# Altium PCB 0020-03_FFT2G.PcbDoc (part 6 of 16) (continued)
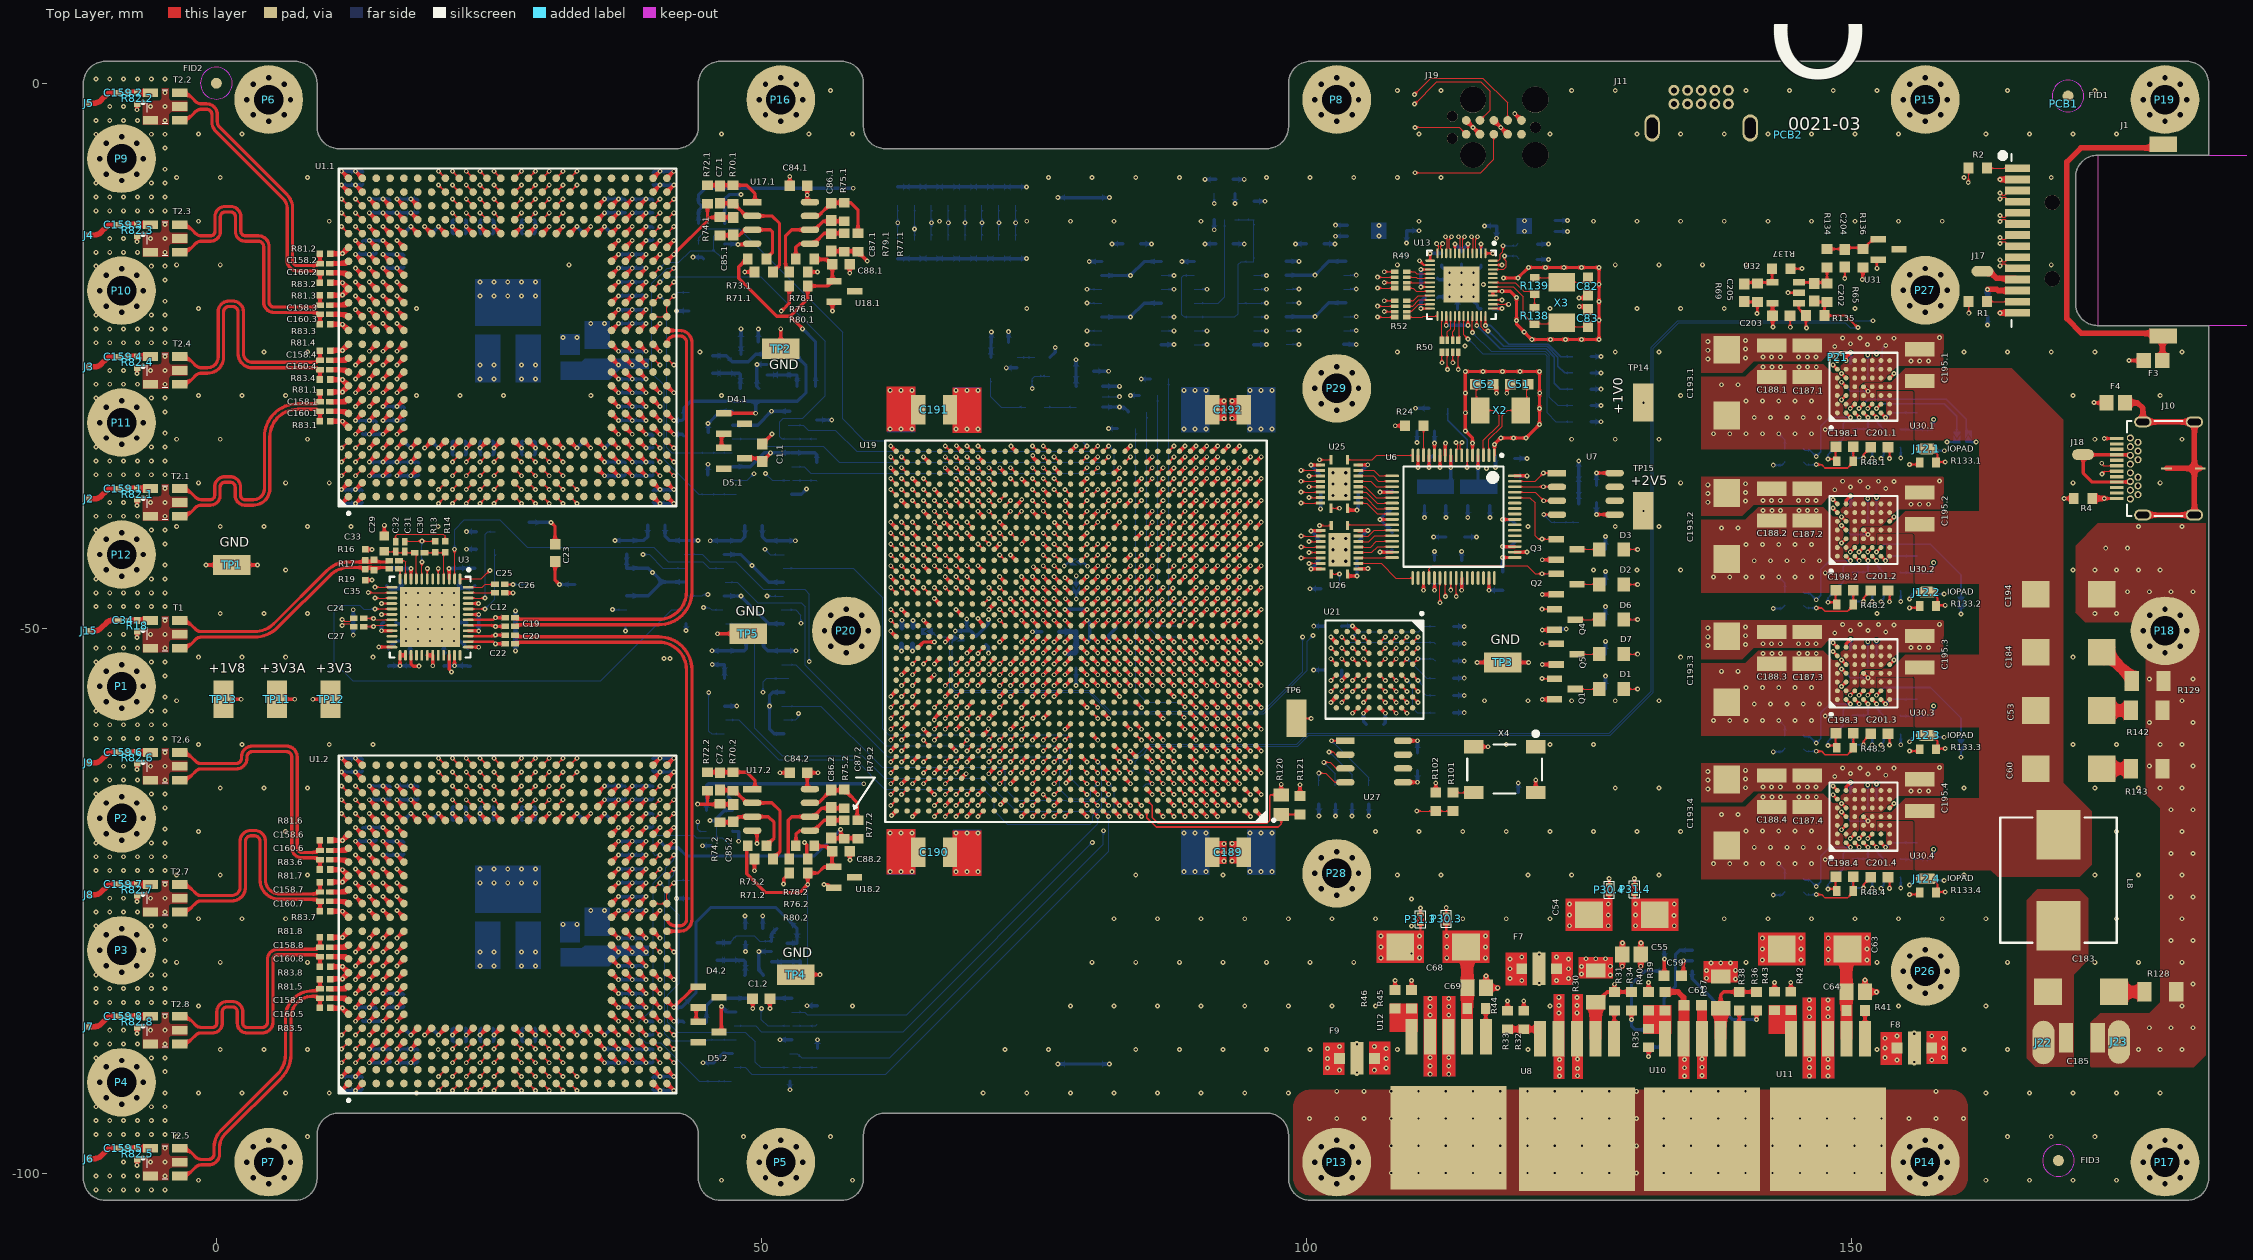
[diagram p0: Top Layer view]
## Nets (pads, with @x,y where several pads share a name; then routed paths per layer and width w, separated by ;. In a path a pad name is that pad's centre, name@x,y a point inside that pad or via, vN(x,y) a via of type N, cw(c..) or ccw(c..) an arc to the next point about the centre after c; other vN are vias at no path point) (continued)
  LVDS1 w0.1: v1(112.521,-14.724) 112.521,-14.665 112.346,-14.49 112.346,-10.263 113.679,-8.929 158.3,-8.929 159.347,-8.929 160.863,-10.446 163.348,-10.446 163.523,-10.621 v1@163.582,-10.621
ETH_D0_P: J1.3 U13.12 | length 60.2
  Top Layer w0.1: v1(111.971,-14.724) 111.971,-14.783 112.146,-14.958 112.146,-15.152 112.046,-15.252 U13.12@112.046,-15.611 ; v1(163.662,-10.085) 163.721,-10.085 163.896,-10.26 164.116,-10.26 164.175,-10.201 164.175,-10.155 164.48,-9.85 J1.3@165.27,-9.85
  LVDS1 w0.1: v1(111.971,-14.724) 111.971,-14.665 112.146,-14.49 112.146,-10.18 113.596,-8.729 159.429,-8.729 160.946,-10.246 163.348,-10.246 163.523,-10.071 v1@163.582,-10.071
ETH_D1_N: J1.6 U13.9 | length 59
  Top Layer w0.1: U13.9@113.246,-15.611 113.246,-15.252 113.146,-15.152 113.146,-14.325 113.321,-14.15 v1(113.321,-14.092) ; v1(163.662,-12.675) 163.721,-12.675 163.896,-12.5 164.116,-12.5 164.175,-12.558 164.175,-12.605 164.48,-12.91 J1.6@165.27,-12.91
  LVDS1 w0.1: v1(113.321,-14.092) 113.321,-14.033 113.146,-13.858 113.146,-10.989 114.624,-9.51 158.3,-9.51 159.178,-9.51 162.153,-12.486 163.348,-12.486 163.523,-12.661 v1@163.582,-12.661
ETH_D1_P: J1.5 U13.10 | length 59.4
  Top Layer w0.1: v1(112.771,-14.092) 112.771,-14.15 112.946,-14.325 112.946,-15.152 112.846,-15.252 U13.10@112.846,-15.611 ; v1(163.662,-12.125) 163.721,-12.125 163.896,-12.3 164.116,-12.3 164.175,-12.241 164.175,-12.195 164.48,-11.89 J1.5@165.27,-11.89
  LVDS1 w0.1: v1(112.771,-14.092) 112.771,-14.033 112.946,-13.858 112.946,-10.906 114.541,-9.31 159.26,-9.31 162.236,-12.286 163.348,-12.286 163.523,-12.111 v1@163.582,-12.111
ETH_D2_N: J1.8 U13.6 | length 59.3
  Top Layer w0.1: U13.6@114.446,-15.611 114.446,-15.252 114.346,-15.152 114.346,-14.325 114.521,-14.15 v1(114.521,-14.092) ; v1(163.662,-14.715) 163.721,-14.715 163.896,-14.54 164.116,-14.54 164.175,-14.598 164.175,-14.645 164.48,-14.95 J1.8@165.27,-14.95
  LVDS1 w0.1: v1(114.521,-14.092) 114.521,-14.033 114.346,-13.858 114.346,-12.736 116.432,-10.65 142.05,-10.65 ccw(c142.05,-10.25) 142.45,-10.25 cw(c142.65,-10.25) 142.85,-10.25 142.85,-10.85 ccw(c143.25,-10.85) 143.65,-10.85 143.65,-10.25 cw(c143.85,-10.25) 144.05,-10.25 ccw(c144.45,-10.25) 144.45,-10.65 158.958,-10.65 162.834,-14.526 163.348,-14.526 163.523,-14.701 v1@163.582,-14.701
ETH_D2_P: J1.7 U13.7 | length 59.6
  Top Layer w0.1: v1(113.971,-14.092) 113.971,-14.15 114.146,-14.325 114.146,-15.152 114.046,-15.252 U13.7@114.046,-15.611 ; v1(163.662,-14.165) 163.721,-14.165 163.896,-14.34 164.116,-14.34 164.175,-14.281 164.175,-14.235 164.48,-13.93 J1.7@165.27,-13.93
  LVDS1 w0.1: v1(113.971,-14.092) 113.971,-14.033 114.146,-13.858 114.146,-12.653 116.349,-10.45 142.05,-10.45 ccw(c142.05,-10.25) 142.25,-10.25 cw(c142.65,-10.25) 143.05,-10.25 143.05,-10.85 ccw(c143.25,-10.85) 143.45,-10.85 143.45,-10.25 cw(c143.85,-10.25) 144.25,-10.25 ccw(c144.45,-10.25) 144.45,-10.45 159.041,-10.45 162.917,-14.326 163.348,-14.326 163.523,-14.151 v1@163.582,-14.151
ETH_D3_N: J1.10 U13.3 | length 58.6
  Top Layer w0.1: U13.3@115.646,-15.611 115.646,-15.252 115.546,-15.152 115.546,-14.325 115.721,-14.15 v1(115.721,-14.092) ; v1(163.662,-16.755) 163.721,-16.755 163.896,-16.58 164.116,-16.58 164.175,-16.638 164.175,-16.685 164.48,-16.99 J1.10@165.27,-16.99
  LVDS1 w0.1: v1(115.721,-14.092) 115.721,-14.033 115.546,-13.858 115.546,-12.101 115.997,-11.65 147.025,-11.65 cw(c147.025,-11.85) 147.225,-11.85 ccw(c147.625,-11.85) 147.625,-12.25 ccw(c147.625,-11.85) 148.025,-11.85 148.025,-11.25 cw(c148.225,-11.25) 148.225,-11.05 cw(c148.225,-11.25) 148.425,-11.25 148.425,-11.85 ccw(c148.825,-11.85) 148.825,-12.25 ccw(c148.825,-11.85) 149.225,-11.85 ; 149.225,-11.825 cw(c149.4,-11.825) 149.4,-11.65 158.3,-11.65 159.275,-12.625 159.275,-12.908 162.933,-16.566 163.348,-16.566 163.523,-16.741 v1@163.582,-16.741
ETH_D3_P: J1.9 U13.4 | length 59
  Top Layer w0.1: v1(115.171,-14.092) 115.171,-14.15 115.346,-14.325 115.346,-15.152 115.246,-15.252 U13.4@115.246,-15.611 ; v1(163.662,-16.205) 163.721,-16.205 163.896,-16.38 164.116,-16.38 164.175,-16.321 164.175,-16.275 164.48,-15.97 J1.9@165.27,-15.97
  LVDS1 w0.1: v1(115.171,-14.092) 115.171,-14.033 115.346,-13.858 115.346,-12.018 115.914,-11.45 147.025,-11.45 cw(c147.025,-11.85) 147.425,-11.85 ccw(c147.625,-11.85) 147.625,-12.05 ccw(c147.625,-11.85) 147.825,-11.85 147.825,-11.25 cw(c148.225,-11.25) 148.225,-10.85 cw(c148.225,-11.25) 148.625,-11.25 148.625,-11.85 ccw(c148.825,-11.85) 148.825,-12.05 ccw(c148.825,-11.85) 149.025,-11.85 ; 149.025,-11.825 cw(c149.4,-11.825) 149.4,-11.45 158.383,-11.45 159.475,-12.542 159.475,-12.825 163.016,-16.366 163.348,-16.366 163.523,-16.191 v1@163.582,-16.191
ETH_RGMII.RX_CLK: R52.2 U19.AE16 | length 48.5
  Top Layer w0.1: U19.AE16@80.375,-42.78 v1(80.875,-42.28) ; v1(106.55,-20.459) R52.2@108.125,-20.459
  LVDS1 w0.1: v1(80.875,-42.28) 81.375,-41.78 81.375,-36.788 82.375,-35.788 82.375,-26.39 82.491,-26.274 82.903,-25.862 cw(c83.002,-25.961) 83.101,-25.862 83.172,-25.934 ccw(c83.271,-25.835) 83.37,-25.934 83.455,-25.849 ccw(c83.356,-25.75) 83.455,-25.651 83.285,-25.481 83.115,-25.31 cw(c83.214,-25.211) 83.115,-25.112 83.2,-25.027 cw(c83.299,-25.126) 83.398,-25.027 83.568,-25.198 83.738,-25.368 ccw(c83.837,-25.269) 83.936,-25.368 84.021,-25.283 ccw(c83.922,-25.184) 84.021,-25.085 83.851,-24.915 83.68,-24.745 cw(c83.779,-24.646) 83.68,-24.547 83.765,-24.462 cw(c83.864,-24.561) 83.963,-24.462 84.133,-24.632 84.304,-24.802 ccw(c84.403,-24.703) 84.502,-24.802 84.587,-24.717 ccw(c84.488,-24.618) 84.587,-24.519 84.515,-24.448 cw(c84.614,-24.349) 84.515,-24.25 84.558,-24.208 86.606,-22.16 88.054,-22.16 89.247,-20.966 106.043,-20.966 v1(106.55,-20.459)
ETH_RGMII.RX_CTL: R52.1 U19.AK16 | length 48.5
  Top Layer w0.1: U19.AK16@80.375,-37.78 v1(80.875,-37.28) ; v1(107.164,-19.959) R52.1@108.125,-19.959
  LVDS1 w0.1: v1(80.875,-37.28) 80.875,-36.298 81.375,-35.798 81.375,-25.841 83.113,-24.103 83.305,-23.911 cw(c83.404,-24.01) 83.503,-23.911 83.575,-23.984 ccw(c83.674,-23.885) 83.773,-23.984 83.858,-23.899 ccw(c83.759,-23.8) 83.858,-23.701 83.687,-23.529 83.515,-23.358 cw(c83.614,-23.259) 83.515,-23.16 83.6,-23.075 cw(c83.699,-23.174) 83.798,-23.075 83.97,-23.246 84.141,-23.418 ccw(c84.24,-23.319) 84.339,-23.418 84.424,-23.333 ccw(c84.325,-23.234) 84.424,-23.135 84.252,-22.964 84.081,-22.792 cw(c84.18,-22.693) 84.081,-22.594 84.166,-22.509 cw(c84.265,-22.608) 84.364,-22.509 84.535,-22.681 84.707,-22.852 ccw(c84.806,-22.753) 84.905,-22.852 84.99,-22.767 ccw(c84.891,-22.668) 84.99,-22.569 84.818,-22.398 84.647,-22.227 cw(c84.746,-22.128) 84.647,-22.029 84.732,-21.944 cw(c84.831,-22.043) 84.93,-21.944 85.101,-22.115 85.272,-22.287 ccw(c85.371,-22.188) 85.47,-22.287 85.555,-22.202 ccw(c85.456,-22.103) 85.555,-22.004 85.384,-21.832 85.212,-21.661 cw(c85.311,-21.562) 85.212,-21.463 85.297,-21.378 cw(c85.396,-21.477) 85.495,-21.378 85.667,-21.549 85.838,-21.721 ccw(c85.937,-21.622) 86.036,-21.721 86.121,-21.636 ccw(c86.022,-21.537) 86.121,-21.438 85.95,-21.267 85.778,-21.095 cw(c85.877,-20.996) 85.778,-20.897 85.863,-20.812 cw(c85.962,-20.911) 86.061,-20.812 86.232,-20.984 86.404,-21.155 ccw(c86.503,-21.056) 86.602,-21.155 86.687,-21.07 ccw(c86.588,-20.971) 86.687,-20.872 86.614,-20.8 cw(c86.713,-20.701) 86.614,-20.602 86.657,-20.559 103.265,-20.559 103.865,-19.959 v1(107.164,-19.959)
ETH_RGMII.RXD0: R49.4 U19.AG17 | length 48
  Top Layer w0.1: U19.AG17@79.375,-40.78 v1(79.875,-40.28) ; v1(106.55,-18.797) R49.4@108.125,-18.797
  LVDS2 w0.1: v1(79.875,-40.28) 80.5,-39.655 80.5,-26.785 82.443,-24.843 82.485,-24.8 ccw(c82.386,-24.701) 82.485,-24.602 82.417,-24.534 cw(c82.516,-24.435) 82.417,-24.336 82.502,-24.251 cw(c82.601,-24.35) 82.7,-24.251 82.867,-24.418 83.067,-24.619 ccw(c83.166,-24.52) 83.265,-24.619 83.35,-24.534 ccw(c83.251,-24.435) 83.35,-24.336 83.15,-24.136 82.982,-23.968 cw(c83.081,-23.869) 82.982,-23.77 83.067,-23.685 cw(c83.166,-23.784) 83.265,-23.685 83.433,-23.853 83.633,-24.053 ccw(c83.732,-23.954) 83.831,-24.053 83.916,-23.968 ccw(c83.817,-23.869) 83.916,-23.77 83.814,-23.669 cw(c83.913,-23.57) 83.814,-23.471 84.355,-22.93 87.615,-19.67 104.519,-19.67 105.392,-18.797 v1(106.55,-18.797)
ETH_RGMII.RXD1: R49.3 U19.AH17 | length 48
  Top Layer w0.1: U19.AH17@79.375,-39.78 v1(79.875,-39.28) ; v1(107.164,-18.297) R49.3@108.125,-18.297
  LVDS2 w0.1: v1(79.875,-39.28) 79.375,-38.78 79.375,-26.825 84.938,-21.263 84.98,-21.22 ccw(c84.881,-21.121) 84.98,-21.022 84.923,-20.966 cw(c85.022,-20.867) 84.923,-20.768 85.008,-20.683 cw(c85.107,-20.782) 85.206,-20.683 85.362,-20.838 85.529,-21.005 ccw(c85.628,-20.906) 85.727,-21.005 85.812,-20.92 ccw(c85.713,-20.821) 85.812,-20.722 85.645,-20.555 85.489,-20.4 cw(c85.588,-20.301) 85.489,-20.202 85.574,-20.117 cw(c85.673,-20.216) 85.772,-20.117 85.927,-20.273 86.094,-20.44 ccw(c86.193,-20.341) 86.292,-20.44 86.377,-20.355 ccw(c86.278,-20.256) 86.377,-20.157 86.309,-20.089 cw(c86.408,-19.99) 86.309,-19.891 86.626,-19.574 86.86,-19.34 103.471,-19.34 104.515,-18.297 v1(107.164,-18.297)
ETH_RGMII.RXD2: R49.2 U19.AJ17 | length 48.5
  Top Layer w0.1: U19.AJ17@79.375,-38.78 v1(79.875,-38.28) ; v1(106.55,-17.797) R49.2@108.125,-17.797
  LVDS1 w0.1: v1(79.875,-38.28) 80.375,-37.78 80.375,-25.63 80.69,-25.315 80.733,-25.272 ccw(c80.634,-25.173) 80.733,-25.074 80.648,-24.99 cw(c80.747,-24.891) 80.648,-24.792 80.733,-24.707 cw(c80.832,-24.806) 80.931,-24.707 81.115,-24.89 81.298,-25.074 ccw(c81.397,-24.975) 81.496,-25.074 81.581,-24.989 ccw(c81.482,-24.89) 81.581,-24.791 81.398,-24.607 81.214,-24.424 cw(c81.313,-24.325) 81.214,-24.226 81.299,-24.141 cw(c81.398,-24.24) 81.497,-24.141 81.68,-24.325 81.864,-24.508 ccw(c81.963,-24.409) 82.062,-24.508 82.147,-24.423 ccw(c82.048,-24.324) 82.147,-24.225 81.963,-24.042 81.78,-23.858 cw(c81.879,-23.759) 81.78,-23.66 81.865,-23.575 cw(c81.964,-23.674) 82.063,-23.575 82.246,-23.759 82.43,-23.942 ccw(c82.529,-23.843) 82.628,-23.942 82.712,-23.857 ccw(c82.613,-23.758) 82.712,-23.659 82.628,-23.575 cw(c82.727,-23.476) 82.628,-23.377 82.804,-23.201 86.258,-19.747 103.182,-19.747 105.131,-17.797 v1(106.55,-17.797)
ETH_RGMII.RXD3: R49.1 U19.AG16 | length 48.8
  Top Layer w0.1: U19.AG16@80.375,-40.78 v1(80.875,-40.28) ; v1(107.164,-17.297) R49.1@108.125,-17.297
  LVDS1 w0.1: v1(80.875,-40.28) 80.408,-39.813 79.752,-39.813 79.375,-39.436 79.375,-32.799 79.975,-32.2 79.975,-24.752 85.336,-19.391 102.039,-19.391 104.191,-17.239 105.122,-17.239 105.181,-17.297 v1(107.164,-17.297)
ETH_RGMII.TX_CLK: R52.4 U19.AC15 | length 48
  Top Layer w0.1: U19.AC15@81.375,-44.78 v1(81.875,-44.28) ; v1(106.55,-21.459) R52.4@108.125,-21.459
  LVDS2 w0.1: v1(81.875,-44.28) 82.375,-43.78 82.375,-32.613 89.439,-25.55 90.925,-25.55 90.985,-25.55 ccw(c90.985,-25.41) 91.125,-25.41 91.125,-25.293 cw(c91.265,-25.293) 91.265,-25.153 91.385,-25.153 cw(c91.385,-25.293) 91.525,-25.293 91.525,-25.55 91.525,-25.957 ccw(c91.665,-25.957) 91.665,-26.097 91.785,-26.097 ccw(c91.785,-25.957) 91.925,-25.957 91.925,-25.55 91.925,-25.293 cw(c92.065,-25.293) 92.065,-25.153 92.185,-25.153 cw(c92.185,-25.293) 92.325,-25.293 92.325,-25.55 92.325,-25.957 ccw(c92.465,-25.957) 92.465,-26.097 92.585,-26.097 ccw(c92.585,-25.957) 92.725,-25.957 92.725,-25.55 92.725,-25.293 cw(c92.865,-25.293) 92.865,-25.153 92.985,-25.153 cw(c92.985,-25.293) 93.125,-25.293 93.125,-25.41 ccw(c93.265,-25.41) 93.265,-25.55 94.175,-25.55 96.875,-25.55 97.825,-24.6 105.45,-24.6 106.55,-23.5 v1(106.55,-21.459)
ETH_RGMII.TX_CTL: R52.3 U19.AH15 | length 48
  Top Layer w0.1: U19.AH15@81.375,-39.78 v1(81.875,-39.28) ; v1(107.164,-20.959) R52.3@108.125,-20.959
  LVDS2 w0.1: v1(81.875,-39.28) 81.375,-38.78 81.375,-32.953 85.852,-28.477 85.894,-28.434 ccw(c85.795,-28.335) 85.894,-28.236 85.609,-27.951 cw(c85.708,-27.852) 85.609,-27.753 85.694,-27.669 cw(c85.793,-27.768) 85.892,-27.669 86.276,-28.052 ccw(c86.375,-27.953) 86.474,-28.052 86.559,-27.967 ccw(c86.46,-27.868) 86.559,-27.769 85.537,-26.748 cw(c85.636,-26.649) 85.537,-26.55 85.622,-26.465 cw(c85.721,-26.564) 85.82,-26.465 86.841,-27.487 ccw(c86.94,-27.388) 87.039,-27.487 87.124,-27.402 ccw(c87.025,-27.303) 87.124,-27.204 86.103,-26.182 cw(c86.202,-26.083) 86.103,-25.984 86.188,-25.899 cw(c86.287,-25.998) 86.386,-25.899 87.308,-26.822 ccw(c87.407,-26.723) 87.506,-26.822 88.689,-25.639 89.553,-24.775 97.15,-24.775 97.575,-24.35 105.2,-24.35 105.681,-23.868 105.681,-23.57 105.681,-21.652 105.681,-21.321 106.043,-20.959 v1(107.164,-20.959)
ETH_RGMII.TXD0: R50.1 U19.AL14 | length 48
  Top Layer w0.1: U19.AL14@82.375,-36.78 v1(82.875,-36.28) ; v1(112.451,-25.652) R50.1@112.451,-24.691
  LVDS2 w0.1: v1(82.875,-36.28) 83.375,-35.78 83.375,-32.237 89.137,-26.475 96.4,-26.475 101.4,-31.475 104.65,-31.475 106.6,-29.525 106.6,-27.225 108.173,-25.652 109.275,-25.652 109.335,-25.652 ccw(c109.335,-25.512) 109.475,-25.512 109.475,-24.95 cw(c109.615,-24.95) 109.615,-24.81 109.735,-24.81 cw(c109.735,-24.95) 109.875,-24.95 109.875,-25.652 109.875,-26.016 ccw(c110.015,-26.016) 110.015,-26.156 110.135,-26.156 ccw(c110.135,-26.016) 110.275,-26.016 110.275,-25.652 110.275,-24.95 cw(c110.415,-24.95) 110.415,-24.81 110.535,-24.81 cw(c110.535,-24.95) 110.675,-24.95 110.675,-25.652 110.675,-26.016 ccw(c110.815,-26.016) 110.815,-26.156 110.935,-26.156 ccw(c110.935,-26.016) 111.075,-26.016 111.075,-25.792 cw(c111.215,-25.792) 111.215,-25.652 111.472,-25.652 v1(112.451,-25.652)
ETH_RGMII.TXD1: R50.2 U19.AK14 | length 48
  Top Layer w0.1: U19.AK14@82.375,-37.78 v1(82.875,-37.28) ; v1(112.951,-26.266) R50.2@112.951,-24.691
  LVDS2 w0.1: v1(82.875,-37.28) 84.375,-35.78 84.375,-31.909 89.234,-27.05 96.45,-27.05 101.175,-31.775 104.9,-31.775 107,-29.675 107,-28.025 107.445,-27.579 107.967,-27.579 109.558,-27.579 ccw(c109.558,-27.439) 109.698,-27.439 109.698,-27.204 cw(c109.838,-27.204) 109.838,-27.064 109.958,-27.064 cw(c109.958,-27.204) 110.098,-27.204 110.098,-27.579 110.098,-27.954 ccw(c110.238,-27.954) 110.238,-28.094 110.358,-28.094 ccw(c110.358,-27.954) 110.498,-27.954 110.498,-27.579 110.498,-27.204 cw(c110.638,-27.204) 110.638,-27.064 110.758,-27.064 cw(c110.758,-27.204) 110.898,-27.204 110.898,-27.579 110.898,-27.954 ccw(c111.038,-27.954) 111.038,-28.094 111.158,-28.094 ccw(c111.158,-27.954) 111.298,-27.954 111.298,-27.719 cw(c111.438,-27.719) 111.438,-27.579 111.498,-27.579 112.333,-27.579 112.951,-26.961 v1(112.951,-26.266)
ETH_RGMII.TXD2: R50.3 U19.AJ15 | length 48.5
  Top Layer w0.1: U19.AJ15@81.375,-38.78 v1(81.875,-38.28) ; v1(113.451,-25.652) R50.3@113.451,-24.691
  LVDS1 w0.1: v1(81.875,-38.28) 82.375,-37.78 82.375,-37.163 82.759,-36.78 83.086,-36.78 83.375,-36.49 83.375,-31.715 84.715,-30.375 91.2,-30.375 93.15,-32.325 105.822,-32.325 106.374,-31.774 106.416,-31.731 ccw(c106.317,-31.632) 106.416,-31.533 106.064,-31.181 cw(c106.163,-31.082) 106.064,-30.983 106.149,-30.898 cw(c106.248,-30.997) 106.347,-30.898 106.798,-31.349 106.818,-31.37 ccw(c106.917,-31.271) 107.016,-31.37 107.101,-31.285 ccw(c107.002,-31.186) 107.101,-31.087 107.081,-31.066 106.63,-30.616 cw(c106.729,-30.517) 106.63,-30.418 106.715,-30.333 cw(c106.814,-30.432) 106.913,-30.333 107.363,-30.784 107.384,-30.804 ccw(c107.483,-30.705) 107.582,-30.804 107.667,-30.719 ccw(c107.568,-30.62) 107.667,-30.521 107.646,-30.501 107.195,-30.05 cw(c107.294,-29.951) 107.195,-29.852 107.28,-29.767 cw(c107.379,-29.866) 107.478,-29.767 107.83,-30.119 ccw(c107.929,-30.02) 108.028,-30.119 109.149,-28.999 111.136,-27.011 113.188,-27.011 113.451,-26.749 v1(113.451,-25.652)
ETH_RGMII.TXD3: R50.4 U19.AJ14 | length 48.5
  Top Layer w0.1: U19.AJ14@82.375,-38.78 v1(82.875,-38.28) ; v1(113.951,-26.266) R50.4@113.951,-24.691
  LVDS1 w0.1: v1(82.875,-38.28) 84.375,-36.78 84.375,-31.629 84.755,-31.25 91.2,-31.25 92.725,-32.775 97.15,-32.775 97.238,-32.775 cw(c97.238,-32.886) 97.35,-32.886 ccw(c97.49,-32.886) 97.49,-33.026 97.61,-33.026 ccw(c97.61,-32.886) 97.75,-32.886 97.75,-32.775 97.75,-32.669 cw(c97.89,-32.669) 97.89,-32.529 98.01,-32.529 cw(c98.01,-32.669) 98.15,-32.669 98.15,-32.775 98.15,-32.883 ccw(c98.29,-32.883) 98.29,-33.023 98.41,-33.023 ccw(c98.41,-32.883) 98.55,-32.883 98.55,-32.775 98.55,-32.669 cw(c98.69,-32.669) 98.69,-32.529 98.81,-32.529 cw(c98.81,-32.669) 98.95,-32.669 98.95,-32.775 98.95,-32.883 ccw(c99.09,-32.883) 99.09,-33.023 99.21,-33.023 ccw(c99.21,-32.883) 99.35,-32.883 99.35,-32.775 99.35,-32.669 cw(c99.49,-32.669) 99.49,-32.529 99.61,-32.529 cw(c99.61,-32.669) 99.75,-32.669 99.75,-32.775 99.75,-32.883 ccw(c99.89,-32.883) 99.89,-33.023 100.01,-33.023 ccw(c100.01,-32.883) 100.15,-32.883 100.15,-32.775 100.15,-32.669 cw(c100.29,-32.669) 100.29,-32.529 100.41,-32.529 cw(c100.41,-32.669) 100.55,-32.669 100.55,-32.775 100.55,-32.883 ccw(c100.69,-32.883) 100.69,-33.023 100.81,-33.023 ccw(c100.81,-32.883) 100.95,-32.883 100.95,-32.775 100.95,-32.669 cw(c101.09,-32.669) 101.09,-32.529 101.21,-32.529 cw(c101.21,-32.669) 101.35,-32.669 101.35,-32.775 101.35,-32.883 ccw(c101.49,-32.883) 101.49,-33.023 101.61,-33.023 ccw(c101.61,-32.883) 101.75,-32.883 101.75,-32.775 101.75,-32.669 cw(c101.89,-32.669) 101.89,-32.529 102.01,-32.529 cw(c102.01,-32.669) 102.15,-32.669 102.15,-32.775 102.15,-32.883 ccw(c102.29,-32.883) 102.29,-33.023 102.41,-33.023 ccw(c102.41,-32.883) 102.55,-32.883 102.55,-32.775 102.55,-32.669 cw(c102.69,-32.669) 102.69,-32.529 102.81,-32.529 cw(c102.81,-32.669) 102.95,-32.669 102.95,-32.775 102.95,-32.883 ccw(c103.09,-32.883) 103.09,-33.023 103.21,-33.023 ccw(c103.21,-32.883) 103.35,-32.883 103.35,-32.886 cw(c103.461,-32.886) 103.461,-32.775 104.725,-32.775 106.143,-32.775 111.246,-27.671 113.182,-27.671 113.951,-26.903 v1(113.951,-26.266)
ETH_SMI.MDC: R56.2 U13.31 U19.AD15 | length 77.9
  Top Layer w0.1: U19.AD15@81.375,-43.78 v1(81.875,-43.28) ; U13.31@114.446,-21.361 114.446,-23.065 v1(114.845,-23.464)
  LVDS3 w0.1: v1(81.875,-43.28) 82.875,-43.28 84.375,-41.78 84.375,-20.86 86.809,-18.426 96.559,-18.426 98.01,-19.877 98.01,-22.541 98.934,-23.464 v1(114.845,-23.464)
  Bottom Layer w0.1: v1(114.845,-23.464) 116.206,-24.825 121.875,-24.825 122.1,-25.05 122.1,-30.25 122.915,-31.065 R56.2@124.45,-31.065
ETH_SMI.MDINT: R55.1 U13.34 U19.AG18 | length 77
  Top Layer w0.1: v1(77.875,-40.28) U19.AG18@78.375,-40.78 ; v1(115.646,-22.23) U13.34@115.646,-21.361
  LVDS3 w0.1: v1(77.875,-40.28) 78.402,-39.753 78.402,-21.015 85.08,-14.336 96.537,-14.336 97.858,-15.657 106.353,-15.657 112.349,-21.653 115.069,-21.653 v1(115.646,-22.23)
  Bottom Layer w0.12: v1(115.646,-22.23) 117.791,-24.375 122.025,-24.375 122.775,-25.125 122.775,-27.55 123.3,-28.075 R55.1@124.45,-28.075
ETH_SMI.MDIO: R54.1 U13.33 U19.AD16 | length 77.1
  Top Layer w0.1: U19.AD16@80.375,-43.78 v1(80.875,-43.28) ; v1(115.246,-22.88) U13.33@115.246,-21.361
  LVDS3 w0.1: v1(80.875,-43.28) 81.375,-42.78 82.375,-42.78 83.375,-41.78 83.375,-21.047 86.377,-18.045 96.734,-18.045 98.29,-19.6 98.29,-22.21 99.204,-23.125 114.149,-23.125 114.393,-22.88 v1(115.246,-22.88)
  Bottom Layer w0.1: v1(115.246,-22.88) 116.966,-24.6 121.933,-24.6 122.3,-24.967 122.3,-28.8 123.07,-29.57 R54.1@124.45,-29.57
ETH_SMI.NRESET: R53.1 U13.35 U19.AH18 | length 77.2
  Top Layer w0.1: v1(77.875,-39.28) U19.AH18@78.375,-39.78 ; U13.35@116.046,-21.361 116.046,-22.361 116.344,-22.658 116.619,-22.658 v1(116.685,-22.725)
  LVDS3 w0.1: v1(77.875,-39.28) 77.36,-38.765 77.36,-20.793 84.096,-14.057 96.817,-14.057 98.112,-15.352 106.443,-15.352 112.438,-21.347 115.74,-21.347 116.046,-21.653 116.046,-22.361 116.344,-22.658 116.619,-22.658 v1(116.685,-22.725)
  Bottom Layer w0.12: v1(116.685,-22.725) 118.115,-24.155 122.116,-24.155 123.1,-25.139 123.1,-25.955 123.725,-26.58 R53.1@124.45,-26.58
ETH_SPD: R1.2 U13.38 | length 54.4
  Top Layer w0.1: U13.38@117.121,-20.286 v1(118.578,-20.286) ; R1.2@160.778,-20.036 160.725,-20.089 160.8,-20.164 v1(160.8,-21.1)
  LVDS2 w0.1: v1(118.578,-20.286) 118.707,-20.158 118.707,-17.151 120.133,-15.725 154.8,-15.725 155.675,-14.85 158.475,-14.85 161.65,-18.025 161.65,-20.25 v1(160.8,-21.1)
EXT_FS_N: C35.2 U3.12 | length 1
  Top Layer w0.1: C35.2@16.751,-44.541 16.856,-44.646 U3.12@16.856,-45.491
EXT_FS_P: C33.2 U3.11 | length 2.2
  Top Layer w0.1: C33.2@16.762,-43.826 17.254,-43.826 17.356,-43.927 U3.11@17.356,-45.491
FB.1: C197.1.2 C198.1.1 R48.1.2 U30.1.C1 | length 8.1
  Top Layer w0.15: v1(147.871,-34.479) R48.1.2@148.492,-34.479 ; C198.1.1@148.595,-33.361 148.57,-33.361 148.57,-34.456 148.57,-34.556 R48.1.2@148.695,-34.682 ; U30.1.C1@150.335,-30.249 v1(150.746,-30.661)
  Bottom Layer w0.15: v1(147.871,-34.479) 147.871,-34.084 148.556,-33.399 C197.1.2@148.556,-33.374 148.556,-33.349 149.281,-32.624 149.281,-31.224 149.445,-31.061 150.346,-31.061 v1(150.746,-30.661)
FB.2: C197.2.2 C198.2.1 R48.2.2 U30.2.C1 | length 8.1
  Top Layer w0.15: v1(147.871,-47.628) R48.2.2@148.492,-47.628 ; C198.2.1@148.595,-46.51 148.57,-46.51 148.57,-47.605 148.57,-47.705 R48.2.2@148.695,-47.831 ; U30.2.C1@150.335,-43.398 v1(150.746,-43.81)
  Bottom Layer w0.15: v1(147.871,-47.628) 147.871,-47.234 148.556,-46.548 C197.2.2@148.556,-46.523 148.556,-46.498 149.281,-45.773 149.281,-44.373 149.445,-44.21 150.346,-44.21 v1(150.746,-43.81)
FB.3: C197.3.2 C198.3.1 R48.3.2 U30.3.C1 | length 8.1
  Top Layer w0.15: v1(147.871,-60.777) R48.3.2@148.492,-60.777 ; C198.3.1@148.595,-59.659 148.57,-59.659 148.57,-60.754 148.57,-60.854 R48.3.2@148.695,-60.98 ; U30.3.C1@150.335,-56.548 v1(150.746,-56.959)
  Bottom Layer w0.15: v1(147.871,-60.777) 147.871,-60.383 148.556,-59.697 C197.3.2@148.556,-59.672 148.556,-59.647 149.281,-58.922 149.281,-57.523 149.445,-57.359 150.346,-57.359 v1(150.746,-56.959)
FB.4: C197.4.2 C198.4.1 R48.4.2 U30.4.C1 | length 8.1
  Top Layer w0.15: v1(147.871,-73.926) R48.4.2@148.492,-73.926 ; C198.4.1@148.595,-72.809 148.57,-72.809 148.57,-73.904 148.57,-74.004 R48.4.2@148.695,-74.129 ; U30.4.C1@150.335,-69.697 v1(150.746,-70.108)
  Bottom Layer w0.15: v1(147.871,-73.926) 147.871,-73.532 148.556,-72.846 C197.4.2@148.556,-72.821 148.556,-72.796 149.281,-72.071 149.281,-70.672 149.445,-70.508 150.346,-70.508 v1(150.746,-70.108)
FPGA_CLK_N: C27.1 R122.1 U19.E11 | length 91.4
  Top Layer w0.1: v1(11.544,-49.757) 11.603,-49.757 11.778,-49.582 12.251,-49.582 12.31,-49.641 12.31,-49.655 12.51,-49.855 C27.1@12.61,-49.855 ; U19.E11@85.375,-62.78 v1(85.875,-63.28)
  LVDS3 w0.1: v1(11.544,-49.757) 11.603,-49.757 11.778,-49.582 13.314,-49.582 16.648,-52.916 39.892,-52.916 40.976,-54 60.525,-54 61.631,-52.894 73.964,-52.894 86.098,-52.894 86.276,-53.071 86.276,-63.536 86.132,-63.68 85.934,-63.68 85.875,-63.621 v1(85.875,-63.28)
  Bottom Layer w0.1: R122.1@85.048,-62.866 85.462,-63.28 v1(85.875,-63.28)
FPGA_CLK_P: C24.1 R122.2 U19.D11 | length 92
  Top Layer w0.1: v1(11.544,-49.207) 11.603,-49.207 11.778,-49.382 12.251,-49.382 12.31,-49.324 12.31,-49.31 12.51,-49.11 C24.1@12.61,-49.11 ; U19.D11@85.375,-63.78 v1(85.875,-64.28)
  LVDS3 w0.1: v1(11.544,-49.207) 11.603,-49.207 11.778,-49.382 13.397,-49.382 16.73,-52.716 39.975,-52.716 41.059,-53.8 60.442,-53.8 61.548,-52.694 73.882,-52.694 86.181,-52.694 86.476,-52.989 86.476,-63.619 86.215,-63.88 85.934,-63.88 85.875,-63.938 v1(85.875,-64.28)
  Bottom Layer w0.1: R122.2@85.048,-64.566 85.335,-64.28 v1(85.875,-64.28)
FPGA_USB_CLKOUT: U19.AC13 U26.7 | length 22.1
  Top Layer w0.1: U19.AC13@83.375,-44.78 v1(83.875,-44.28) ; v1@99.547,-43.56 U26.7@101.324,-43.56
  SIG2 w0.1: v1(83.875,-44.28) 84.375,-44.78 84.375,-45.532 84.623,-45.78 97.312,-45.78 97.514,-45.578 97.556,-45.536 ccw(c97.457,-45.437) 97.556,-45.338 97.53,-45.312 cw(c97.629,-45.213) 97.53,-45.114 97.615,-45.029 cw(c97.714,-45.128) 97.813,-45.029 97.938,-45.154 98.063,-45.279 ccw(c98.162,-45.18) 98.261,-45.279 98.346,-45.195 ccw(c98.247,-45.096) 98.346,-44.997 98.221,-44.871 98.096,-44.746 cw(c98.195,-44.647) 98.096,-44.548 98.18,-44.463 cw(c98.279,-44.562) 98.378,-44.463 98.504,-44.589 98.629,-44.714 ccw(c98.728,-44.615) 98.827,-44.714 98.912,-44.629 ccw(c98.813,-44.53) 98.912,-44.431 98.885,-44.405 cw(c98.984,-44.306) 98.885,-44.207 99.012,-44.08 v1(99.54,-43.552)
FPGA_USB_D0: U19.AK12 U25.1 | length 22.4
  Top Layer w0.1: U19.AK12@84.375,-37.78 v1(84.875,-37.28) ; v1(101.216,-34.552) U25.1@102.29,-34.552
  SIG1 w0.1: v1(84.875,-37.28) 85.375,-36.78 85.375,-35.176 85.771,-34.78 96.08,-34.78 96.14,-34.78 cw(c96.14,-34.92) 96.28,-34.92 96.28,-34.993 ccw(c96.42,-34.993) 96.42,-35.133 96.54,-35.133 ccw(c96.54,-34.993) 96.68,-34.993 96.68,-34.78 96.68,-34.566 cw(c96.82,-34.566) 96.82,-34.426 96.94,-34.426 cw(c96.94,-34.566) 97.08,-34.566 97.08,-34.78 97.08,-34.993 ccw(c97.22,-34.993) 97.22,-35.133 97.34,-35.133 ccw(c97.34,-34.993) 97.48,-34.993 97.48,-34.78 97.48,-34.566 cw(c97.62,-34.566) 97.62,-34.426 97.74,-34.426 cw(c97.74,-34.566) 97.88,-34.566 97.88,-34.64 ccw(c98.02,-34.64) 98.02,-34.78 98.264,-34.78 98.975,-34.78 99.202,-34.552 v1(101.216,-34.552)
FPGA_USB_D1: U19.AJ12 U25.3 | length 22.1
  Top Layer w0.1: U19.AJ12@84.375,-38.78 v1(84.875,-38.28) ; v1(99.53,-35.52) 99.538,-35.527 U25.3@101.315,-35.527
  SIG2 w0.1: v1(84.875,-38.28) 85.375,-37.78 85.375,-35.085 85.681,-34.78 96.309,-34.78 96.369,-34.78 ccw(c96.369,-34.64) 96.509,-34.64 96.509,-34.574 cw(c96.649,-34.574) 96.649,-34.434 96.769,-34.434 cw(c96.769,-34.574) 96.909,-34.574 96.909,-34.78 96.909,-34.986 ccw(c97.049,-34.986) 97.049,-35.126 97.169,-35.126 ccw(c97.169,-34.986) 97.309,-34.986 97.309,-34.78 97.309,-34.574 cw(c97.449,-34.574) 97.449,-34.434 97.569,-34.434 cw(c97.569,-34.574) 97.709,-34.574 97.709,-34.64 ccw(c97.849,-34.64) 97.849,-34.78 98.29,-34.78 98.79,-34.78 v1(99.53,-35.52)
FPGA_USB_D2: U19.AF11 U25.4 | length 22.4
  Top Layer w0.1: U19.AF11@85.375,-41.78 v1(85.875,-41.28) ; v1(100.241,-36.027) U25.4@101.315,-36.027
  SIG1 w0.1: v1(85.875,-41.28) 86.375,-40.78 96.358,-40.78 96.849,-40.288 96.849,-39.686 96.849,-39.626 ccw(c96.709,-39.626) 96.709,-39.486 96.667,-39.486 cw(c96.667,-39.346) 96.527,-39.346 96.527,-39.226 cw(c96.667,-39.226) 96.667,-39.086 96.849,-39.086 97.032,-39.086 ccw(c97.032,-38.946) 97.172,-38.946 97.172,-38.826 ccw(c97.032,-38.826) 97.032,-38.686 96.849,-38.686 96.667,-38.686 cw(c96.667,-38.546) 96.527,-38.546 96.527,-38.426 cw(c96.667,-38.426) 96.667,-38.286 96.849,-38.286 97.032,-38.286 ccw(c97.032,-38.146) 97.172,-38.146 97.172,-38.026 ccw(c97.032,-38.026) 97.032,-37.886 96.989,-37.886 cw(c96.989,-37.746) 96.849,-37.746 96.849,-37.374 96.849,-36.681 97.503,-36.027 v1(100.241,-36.027)
FPGA_USB_D3: U19.AE11 U25.5 | length 22.4
  Top Layer w0.1: U19.AE11@85.375,-42.78 v1(85.875,-42.28) ; v1@99.538,-36.527 U25.5@101.315,-36.527
  SIG1 w0.1: v1(85.875,-42.28) 86.375,-41.78 96.813,-41.78 97.676,-40.916 97.676,-40.549 97.676,-40.489 ccw(c97.536,-40.489) 97.536,-40.349 97.526,-40.349 cw(c97.526,-40.209) 97.386,-40.209 97.386,-40.089 cw(c97.526,-40.089) 97.526,-39.949 97.676,-39.949 97.826,-39.949 ccw(c97.826,-39.809) 97.966,-39.809 97.966,-39.689 ccw(c97.826,-39.689) 97.826,-39.549 97.676,-39.549 97.526,-39.549 cw(c97.526,-39.409) 97.386,-39.409 97.386,-39.289 cw(c97.526,-39.289) 97.526,-39.149 97.676,-39.149 97.826,-39.149 ccw(c97.826,-39.009) 97.966,-39.009 97.966,-38.889 ccw(c97.826,-38.889) 97.826,-38.749 97.816,-38.749 cw(c97.816,-38.609) 97.676,-38.609 97.676,-38.162 97.676,-37.226 98.382,-36.52 v1(99.53,-36.52)